# Altium PCB RTD_12POS_WPSv4.PcbDoc (part 1 of 2)
Units mm, origin at the board's own origin, x right, y up, seen from the top; angles counter-clockwise.
Board outline 122.3 x 122.04 mm, 2 copper layers (Top Layer, Bottom Layer); 346 components, 305 nets, 1347 pads, 0 vias.
Unrouted connection lines stored in the file: 1010.
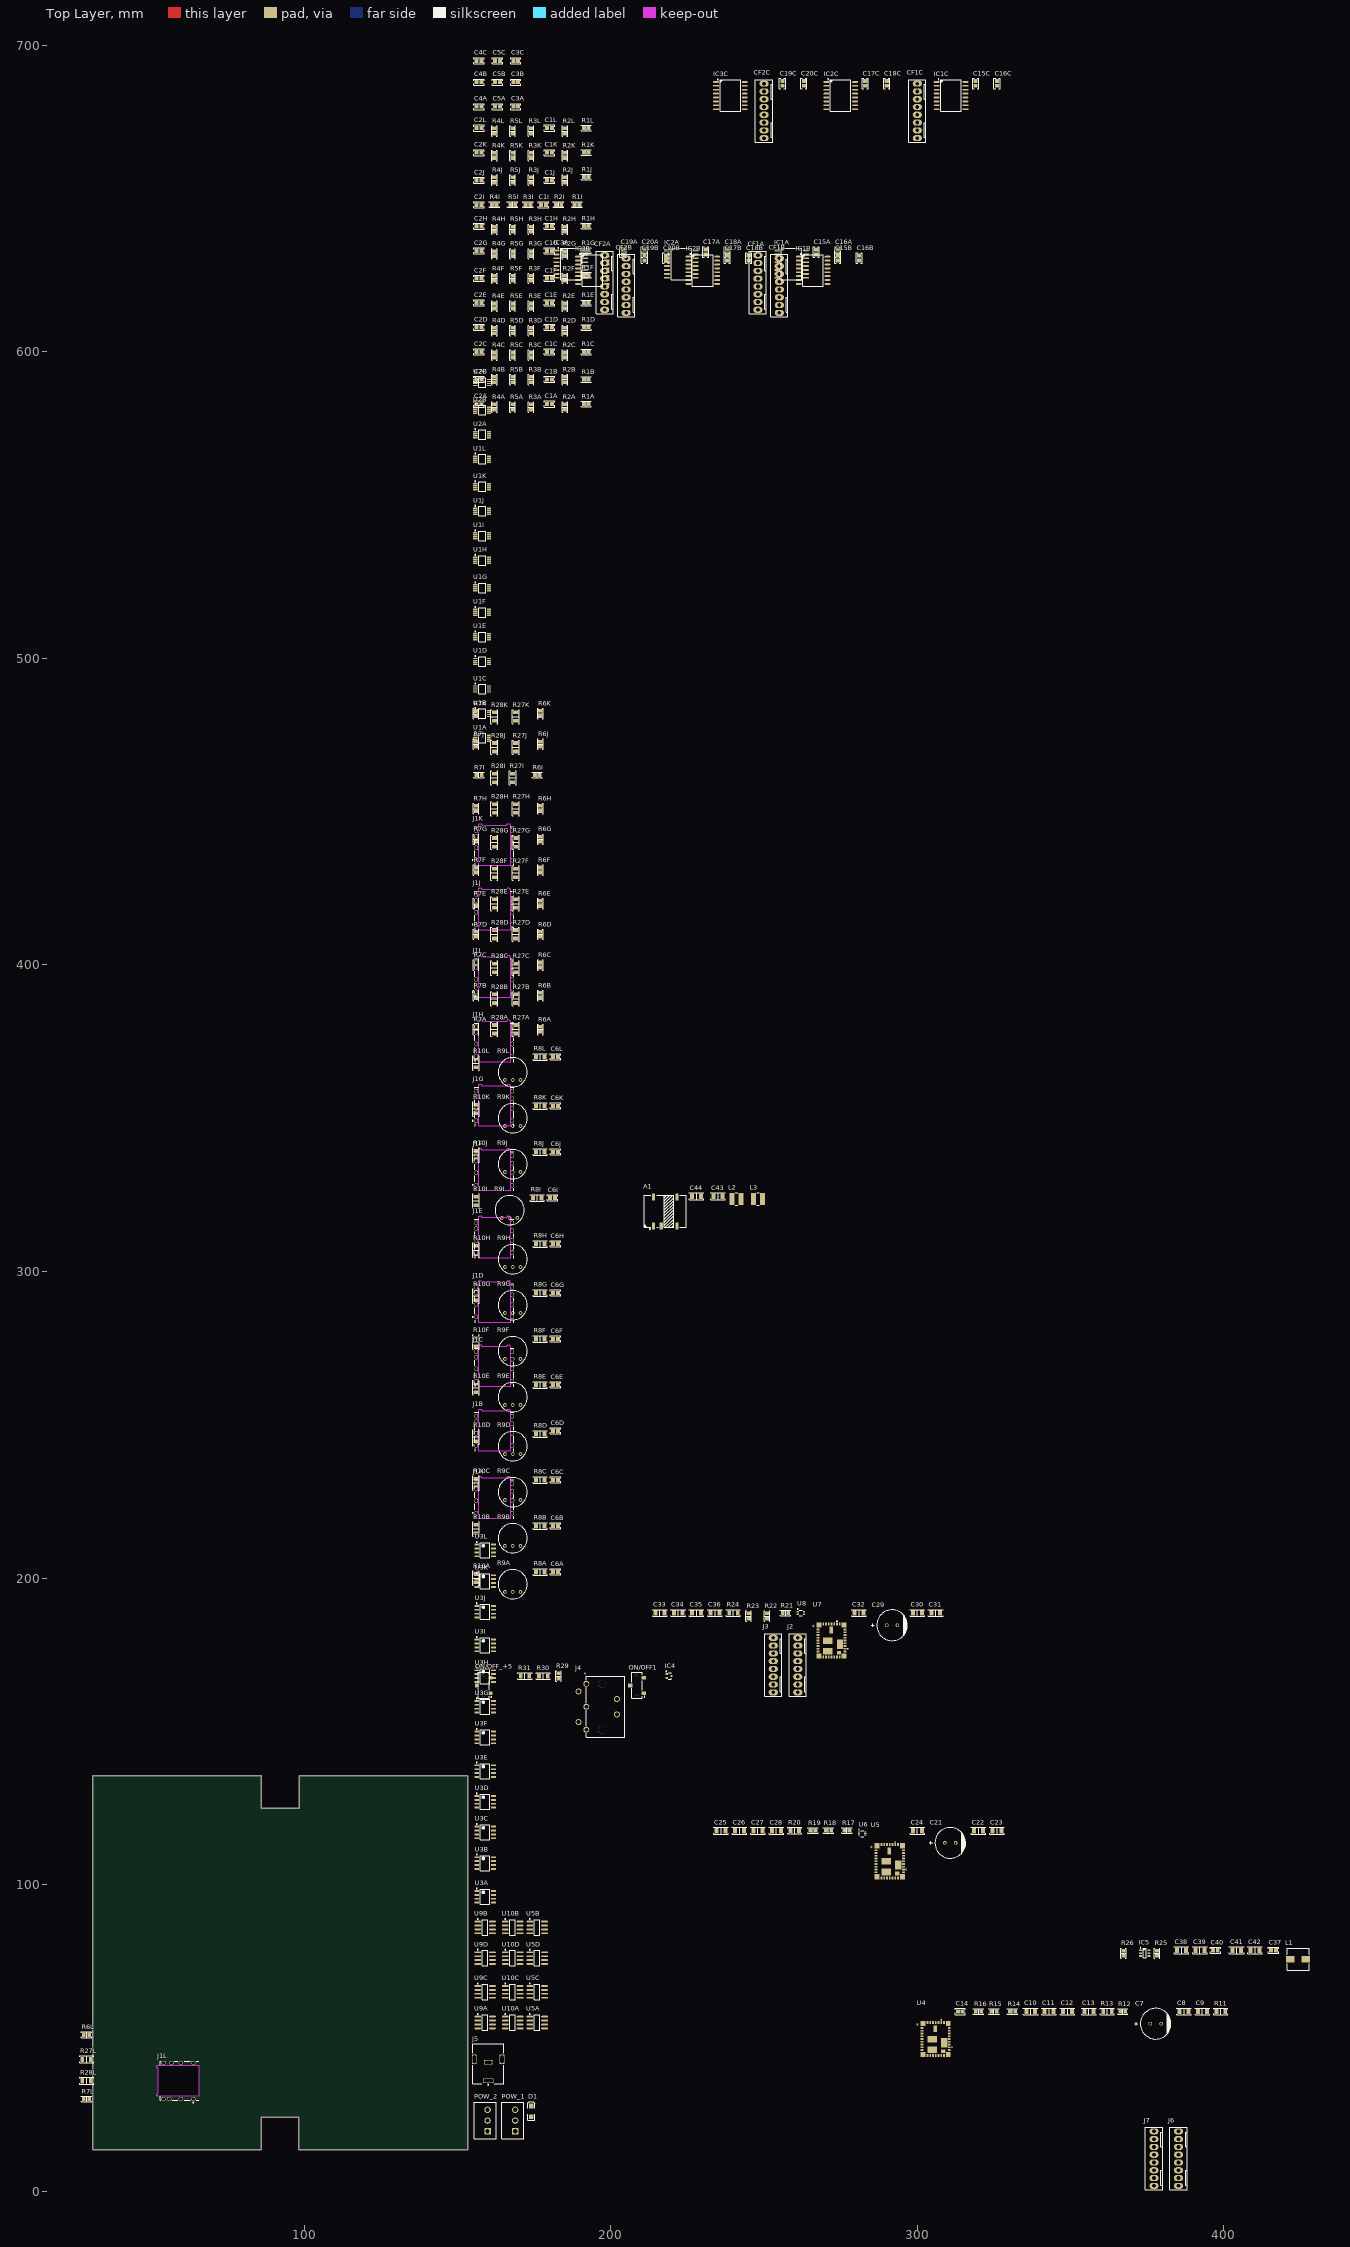
[diagram p0: Top Layer view]
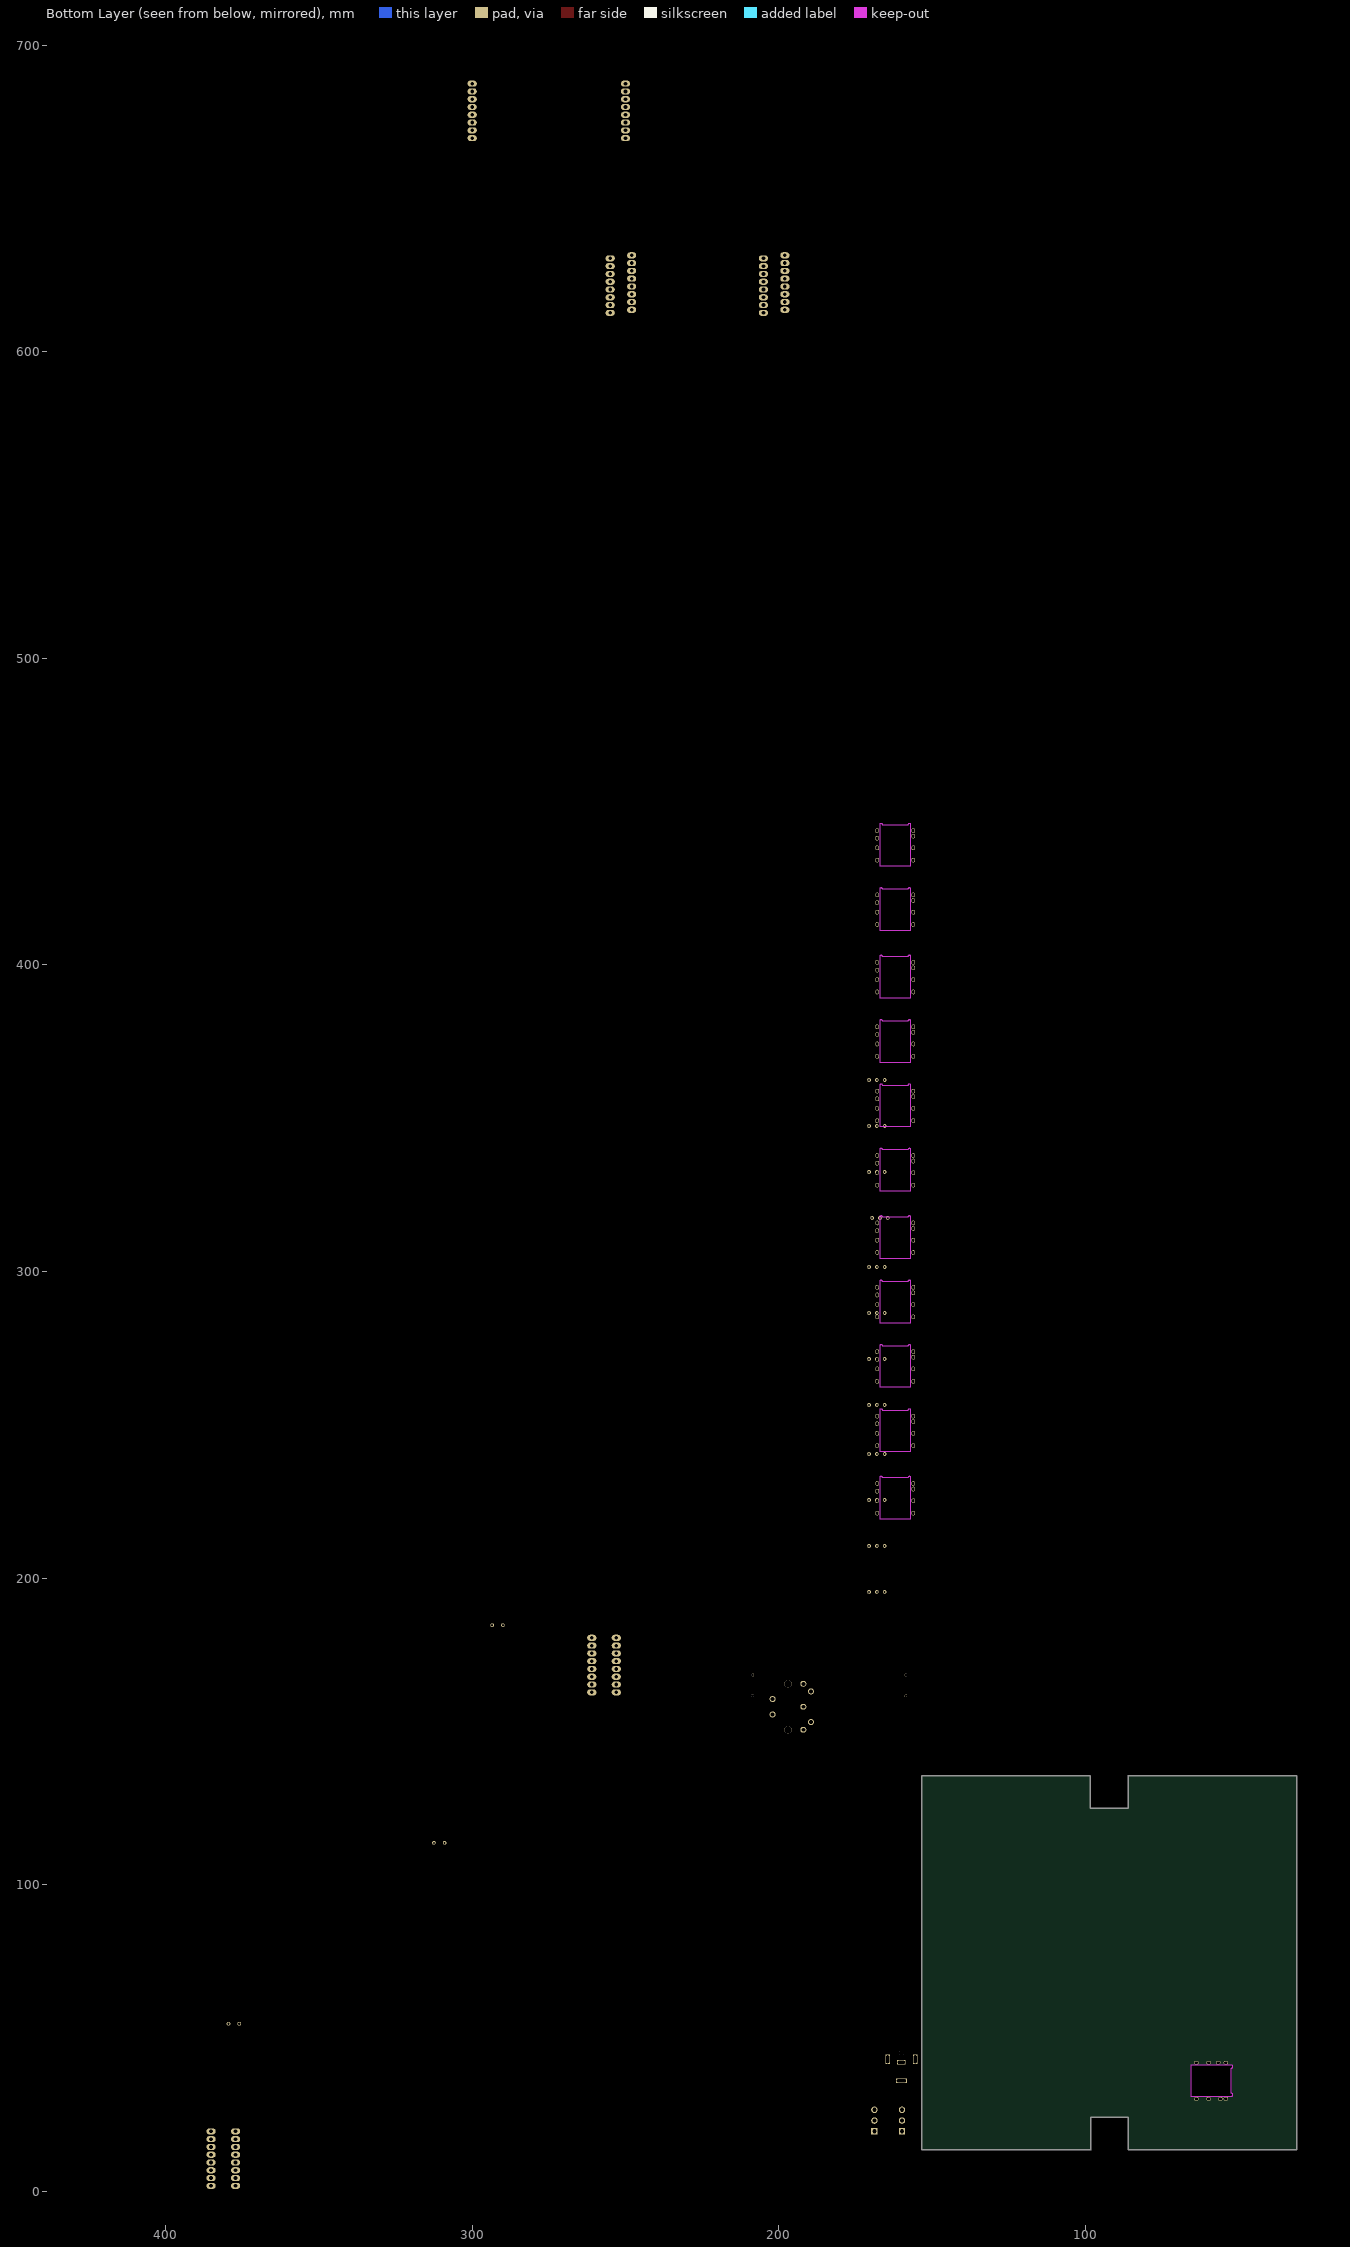
[diagram p1: Bottom Layer view, seen from below]

## Layer stack, top to bottom
Top Solder: solder mask 0.0102, Solder Resist, Dk 3.5
Top Layer: signal copper 0.0356
Dielectric 1: dielectric 0.32, FR-4, Dk 4.8
Bottom Layer: signal copper 0.0356
Bottom Solder: solder mask 0.0102, Solder Resist, Dk 3.5

## Board outline
31,13.46 31,135.5 86,135.5 86.05,135.45 86.05,124.95 98.35,124.95 98.35,135.5 153.3,135.5 153.3,13.46 98.3,13.46 98.25,13.51 98.25,24.01 85.95,24.01 85.95,13.46

## Design rules (kind name [scope] priority, off if disabled: settings)
Clearance [All] p1: gap=0.254 ignorepadtopadclearanceinfootprint=FALSE except(0: Arc-Hole Track-Hole SMDPad-Hole THPad-Hole Via-Hole Fill-Hole Poly-Hole Region-Hole Text-Hole)
PolygonConnect [All] p1: connectstyle=Relief reliefconductorwidth=0.254 reliefentries=4 polygonreliefangle="90 Angle" airgapwidth=0.254
RoomDefinition U_VrefSchC [InComponentClass('U_VrefSchC')] p1: confinementstyle=ConfineIn formatcopy=TRUE lockcomponents=FALSE outline 154,588 162,588 162,595 154,595
RoomDefinition U_VrefSchB [InComponentClass('U_VrefSchB')] p2: confinementstyle=ConfineIn formatcopy=TRUE lockcomponents=FALSE outline 154,579 162,579 162,586 154,586
RoomDefinition U_VrefSchA [InComponentClass('U_VrefSchA')] p3: confinementstyle=ConfineIn formatcopy=TRUE lockcomponents=FALSE outline 154,571 162,571 162,578 154,578
RoomDefinition U_VccConnSch [InComponentClass('U_VccConnSch')] p4: confinementstyle=ConfineIn formatcopy=TRUE lockcomponents=FALSE outline 154,34 166,34 166,51 154,51
RoomDefinition U_RTDAnalogL [InComponentClass('U_RTDAnalogL')] p5: confinementstyle=ConfineIn formatcopy=TRUE lockcomponents=FALSE outline 154,563 162,563 162,570 154,570
RoomDefinition U_RTDAnalogK [InComponentClass('U_RTDAnalogK')] p6: confinementstyle=ConfineIn formatcopy=TRUE lockcomponents=FALSE outline 154,554 162,554 162,561 154,561
RoomDefinition U_RTDAnalogJ [InComponentClass('U_RTDAnalogJ')] p7: confinementstyle=ConfineIn formatcopy=TRUE lockcomponents=FALSE outline 154,546 162,546 162,553 154,553
RoomDefinition U_RTDAnalogI [InComponentClass('U_RTDAnalogI')] p8: confinementstyle=ConfineIn formatcopy=TRUE lockcomponents=FALSE outline 154,538 162,538 162,545 154,545
RoomDefinition U_RTDAnalogH [InComponentClass('U_RTDAnalogH')] p9: confinementstyle=ConfineIn formatcopy=TRUE lockcomponents=FALSE outline 154,530 162,530 162,537 154,537
RoomDefinition U_RTDAnalogF [InComponentClass('U_RTDAnalogF')] p10: confinementstyle=ConfineIn formatcopy=TRUE lockcomponents=FALSE outline 154,513 162,513 162,520 154,520
RoomDefinition U_RTDAnalogE [InComponentClass('U_RTDAnalogE')] p11: confinementstyle=ConfineIn formatcopy=TRUE lockcomponents=FALSE outline 154,505 162,505 162,512 154,512
RoomDefinition U_RTDAnalogD [InComponentClass('U_RTDAnalogD')] p12: confinementstyle=ConfineIn formatcopy=TRUE lockcomponents=FALSE outline 154,497 162,497 162,504 154,504
RoomDefinition U_RTDAnalogC [InComponentClass('U_RTDAnalogC')] p13: confinementstyle=ConfineIn formatcopy=TRUE lockcomponents=FALSE outline 154,488 162,488 162,495 154,495
RoomDefinition U_RTDAnalogB [InComponentClass('U_RTDAnalogB')] p14: confinementstyle=ConfineIn formatcopy=TRUE lockcomponents=FALSE outline 154,480 162,480 162,487 154,487
RoomDefinition U_RTDAnalogA [InComponentClass('U_RTDAnalogA')] p15: confinementstyle=ConfineIn formatcopy=TRUE lockcomponents=FALSE outline 154,472 162,472 162,479 154,479
RoomDefinition U_RTDAnalogA [InComponentClass('U_RTDAnalogA')] p16: confinementstyle=ConfineIn formatcopy=TRUE lockcomponents=FALSE outline 154,472 162,472 162,479 154,479
RoomDefinition U_PowerIsolation [InComponentClass('U_PowerIsolation')] p17: confinementstyle=ConfineIn formatcopy=TRUE lockcomponents=FALSE outline 55,138.6 105.8,138.6 105.8,164 55,164
RoomDefinition U_PowerDelivery [InComponentClass('U_PowerDelivery')] p18: confinementstyle=ConfineIn formatcopy=TRUE lockcomponents=FALSE outline 155,16 176,16 176,33 155,33
RoomDefinition U_Neg12V [InComponentClass('U_Neg12V')] p19: confinementstyle=ConfineIn formatcopy=TRUE lockcomponents=FALSE outline 58,46.6 108.8,46.6 108.8,72 58,72
RoomDefinition U_Neg5V [InComponentClass('U_Neg5V')] p20: confinementstyle=ConfineIn formatcopy=TRUE lockcomponents=FALSE outline 78,0 128.8,0 128.8,25.4 78,25.4
RoomDefinition U_MonitorOut [InComponentClass('U_MonitorOut')] p21: confinementstyle=ConfineIn formatcopy=TRUE lockcomponents=FALSE outline 94,82.6 144.8,82.6 144.8,108 94,108
RoomDefinition U_IsolationOut [InComponentClass('U_IsolationOut')] p22: confinementstyle=ConfineIn formatcopy=TRUE lockcomponents=FALSE outline 78,113.6 128.8,113.6 128.8,139 78,139
RoomDefinition U_ConnGd- [InComponentClass('U_ConnGd-')] p23: confinementstyle=ConfineIn formatcopy=TRUE lockcomponents=FALSE outline 33,83.6 83.8,83.6 83.8,109 33,109
RoomDefinition U_ConnGd+ [InComponentClass('U_ConnGd+')] p24: confinementstyle=ConfineIn formatcopy=TRUE lockcomponents=FALSE outline 26,112.6 76.8,112.6 76.8,138 26,138
RoomDefinition U_ConnectorSchL [InComponentClass('U_ConnectorSchL')] p25: confinementstyle=ConfineIn formatcopy=TRUE lockcomponents=FALSE outline 71,28 71,43 51,43 51,28
RoomDefinition U_ConnectorSchK [InComponentClass('U_ConnectorSchK')] p26: confinementstyle=ConfineIn formatcopy=TRUE lockcomponents=FALSE outline 154,429 169,429 169,449 154,449
RoomDefinition U_ConnectorSchJ [InComponentClass('U_ConnectorSchJ')] p27: confinementstyle=ConfineIn formatcopy=TRUE lockcomponents=FALSE outline 154,408 169,408 169,428 154,428
RoomDefinition U_ConnectorSchI [InComponentClass('U_ConnectorSchI')] p28: confinementstyle=ConfineIn formatcopy=TRUE lockcomponents=FALSE outline 154,386 169,386 169,406 154,406
RoomDefinition U_ConnectorSchH [InComponentClass('U_ConnectorSchH')] p29: confinementstyle=ConfineIn formatcopy=TRUE lockcomponents=FALSE outline 154,365 169,365 169,385 154,385
RoomDefinition U_ConnectorSchF [InComponentClass('U_ConnectorSchF')] p30: confinementstyle=ConfineIn formatcopy=TRUE lockcomponents=FALSE outline 154,323 169,323 169,343 154,343
RoomDefinition U_ConnectorSchE [InComponentClass('U_ConnectorSchE')] p31: confinementstyle=ConfineIn formatcopy=TRUE lockcomponents=FALSE outline 154,301 169,301 169,321 154,321
RoomDefinition U_ConnectorSchD [InComponentClass('U_ConnectorSchD')] p32: confinementstyle=ConfineIn formatcopy=TRUE lockcomponents=FALSE outline 154,280 169,280 169,300 154,300
RoomDefinition U_ConnectorSchC [InComponentClass('U_ConnectorSchC')] p33: confinementstyle=ConfineIn formatcopy=TRUE lockcomponents=FALSE outline 154,259 169,259 169,279 154,279
RoomDefinition U_ConnectorSchB [InComponentClass('U_ConnectorSchB')] p34: confinementstyle=ConfineIn formatcopy=TRUE lockcomponents=FALSE outline 154,238 169,238 169,258 154,258
RoomDefinition U_ConnectorSchA [InComponentClass('U_ConnectorSchA')] p35: confinementstyle=ConfineIn formatcopy=TRUE lockcomponents=FALSE outline 154,216 169,216 169,236 154,236
RoomDefinition U_ConnectorSchA [InComponentClass('U_ConnectorSchA')] p36: confinementstyle=ConfineIn formatcopy=TRUE lockcomponents=FALSE outline 154,216 169,216 169,236 154,236
RoomDefinition U_ComparisonSchL [InComponentClass('U_ComparisonSchL')] p37: confinementstyle=ConfineIn formatcopy=TRUE lockcomponents=FALSE outline 155,206 163,206 163,215 155,215
RoomDefinition U_ComparisonSchK [InComponentClass('U_ComparisonSchK')] p38: confinementstyle=ConfineIn formatcopy=TRUE lockcomponents=FALSE outline 155,196 163,196 163,205 155,205
RoomDefinition U_ComparisonSchJ [InComponentClass('U_ComparisonSchJ')] p39: confinementstyle=ConfineIn formatcopy=TRUE lockcomponents=FALSE outline 155,186 163,186 163,195 155,195
RoomDefinition U_ComparisonSchI [InComponentClass('U_ComparisonSchI')] p40: confinementstyle=ConfineIn formatcopy=TRUE lockcomponents=FALSE outline 155,175 163,175 163,184 155,184
RoomDefinition U_ComparisonSchH [InComponentClass('U_ComparisonSchH')] p41: confinementstyle=ConfineIn formatcopy=TRUE lockcomponents=FALSE outline 155,165 163,165 163,174 155,174
RoomDefinition U_ComparisonSchF [InComponentClass('U_ComparisonSchF')] p42: confinementstyle=ConfineIn formatcopy=TRUE lockcomponents=FALSE outline 155,145 163,145 163,154 155,154
RoomDefinition U_ComparisonSchE [InComponentClass('U_ComparisonSchE')] p43: confinementstyle=ConfineIn formatcopy=TRUE lockcomponents=FALSE outline 155,134 163,134 163,143 155,143
RoomDefinition U_ComparisonSchD [InComponentClass('U_ComparisonSchD')] p44: confinementstyle=ConfineIn formatcopy=TRUE lockcomponents=FALSE outline 155,124 163,124 163,133 155,133
RoomDefinition U_ComparisonSchC [InComponentClass('U_ComparisonSchC')] p45: confinementstyle=ConfineIn formatcopy=TRUE lockcomponents=FALSE outline 155,114 163,114 163,123 155,123
RoomDefinition U_ComparisonSchB [InComponentClass('U_ComparisonSchB')] p46: confinementstyle=ConfineIn formatcopy=TRUE lockcomponents=FALSE outline 155,104 163,104 163,113 155,113
RoomDefinition U_ComparisonSchA [InComponentClass('U_ComparisonSchA')] p47: confinementstyle=ConfineIn formatcopy=TRUE lockcomponents=FALSE outline 155,155 163,155 163,164 155,164
RoomDefinition U_ComparisonSchA [InComponentClass('U_ComparisonSchA')] p48: confinementstyle=ConfineIn formatcopy=TRUE lockcomponents=FALSE outline 155,155 163,155 163,164 155,164
RoomDefinition U_BufferOutR [InComponentClass('U_BufferOutR')] p49: confinementstyle=ConfineIn formatcopy=TRUE lockcomponents=FALSE outline 155,83 180,83 180,92 155,92
RoomDefinition U_BufferOutMonR [InComponentClass('U_BufferOutMonR')] p50: confinementstyle=ConfineIn formatcopy=TRUE lockcomponents=FALSE outline 155,73 180,73 180,82 155,82
RoomDefinition U_BufferOutMonL [InComponentClass('U_BufferOutMonL')] p51: confinementstyle=ConfineIn formatcopy=TRUE lockcomponents=FALSE outline 155,62 180,62 180,71 155,71
RoomDefinition U_BufferOutL [InComponentClass('U_BufferOutL')] p52: confinementstyle=ConfineIn formatcopy=TRUE lockcomponents=FALSE outline 155,52 180,52 180,61 155,61
RoomDefinition U_12VSupply [InComponentClass('U_12VSupply')] p53: confinementstyle=ConfineIn formatcopy=TRUE lockcomponents=FALSE outline 144,0 194.8,0 194.8,25.4 144,25.4
RoomDefinition U_5VSupply [InComponentClass('U_5VSupply')] p54: confinementstyle=ConfineIn formatcopy=TRUE lockcomponents=FALSE outline 211.2,27.6 262,27.6 262,53 211.2,53
RoomDefinition MainSch [InComponentClass('MainSch')] p55: confinementstyle=ConfineIn formatcopy=TRUE lockcomponents=FALSE outline 218.2,0 269,0 269,25.4 218.2,25.4
RoutingVias [All] p1: holewidth=0.711 width=1.27 viastyle="Through Hole" minholewidth=0.711 minwidth=1.27 maxholewidth=0.711 maxwidth=1.27
SolderMaskExpansion [All] p1: expansion=0.102
Width [All] p1: maxlimit=0.254 minlimit=0.254 preferedwidth=0.254
30 further rules are at their usual default settings.

## Classes and differential pairs
channel class VrefSch: U_VrefSchA U_VrefSchB U_VrefSchC
channel class RTDAnalog: U_RTDAnalogA U_RTDAnalogB U_RTDAnalogC U_RTDAnalogD U_RTDAnalogE U_RTDAnalogF U_RTDAnalogH U_RTDAnalogI U_RTDAnalogJ U_RTDAnalogK U_RTDAnalogL
channel class IsolationOut: U_ConnGd+ U_ConnGd- U_IsolationOut
channel class ConnectorSch: U_ConnectorSchA U_ConnectorSchB U_ConnectorSchC U_ConnectorSchD U_ConnectorSchE U_ConnectorSchF U_ConnectorSchH U_ConnectorSchI U_ConnectorSchJ U_ConnectorSchK U_ConnectorSchL
channel class ComparisonSch: U_ComparisonSchA U_ComparisonSchB U_ComparisonSchC U_ComparisonSchD U_ComparisonSchE U_ComparisonSchF U_ComparisonSchH U_ComparisonSchI U_ComparisonSchJ U_ComparisonSchK U_ComparisonSchL
channel class BufferOut: U_BufferOutL U_BufferOutMonL U_BufferOutMonR U_BufferOutR
net class Vthr[1..12]: Vthr1 Vthr2 Vthr3 Vthr4 Vthr5 Vthr6 Vthr7 Vthr8 Vthr9 Vthr10 Vthr11 Vthr12
net class Vrtd[1..12]: Vrtd1 Vrtd2 Vrtd3 Vrtd4 Vrtd5 Vrtd6 Vrtd7 Vrtd8 Vrtd9 Vrtd10 Vrtd11 Vrtd12
net class Vref[1..3]: Vref1 Vref2 Vref3
net class RTD-[1..12]: RTD-1 RTD-2 RTD-3 RTD-4 RTD-5 RTD-6 RTD-7 RTD-8 RTD-9 RTD-10 RTD-11 RTD-12
net class RTD+[1..12]: RTD+1 RTD+2 RTD+3 RTD+4 RTD+5 RTD+6 RTD+7 RTD+8 RTD+9 RTD+10 RTD+11 RTD+12
net class CONNGD-[1..12]: CONNGD-1 CONNGD-2 CONNGD-3 CONNGD-4 CONNGD-5 CONNGD-6 CONNGD-7 CONNGD-8 CONNGD-9 CONNGD-10 CONNGD-11 CONNGD-12
net class CONNGD+[1..12]: CONNGD+1 CONNGD+2 CONNGD+3 CONNGD+4 CONNGD+5 CONNGD+6 CONNGD+7 CONNGD+8 CONNGD+9 CONNGD+10 CONNGD+11 CONNGD+12
net class CF[1..12]: CF1 CF2 CF3 CF4 CF5 CF6 CF7 CF8 CF9 CF10 CF11 CF12
component class U_VrefSchC: C3C C4C C5C U2C
component class U_VrefSchB: C3B C4B C5B U2B
component class U_VrefSchA: C3A C4A C5A U2A
component class U_VccConnSch: J5
component class U_RTDAnalogL: C1L C2L R1L R2L R3L R4L R5L U1L
component class U_RTDAnalogK: C1K C2K R1K R2K R3K R4K R5K U1K
component class U_RTDAnalogJ: C1J C2J R1J R2J R3J R4J R5J U1J
component class U_RTDAnalogI: C1I C2I R1I R2I R3I R4I R5I U1I
component class U_RTDAnalogH: C1H C2H R1H R2H R3H R4H R5H U1H
component class U_RTDAnalogF: C1F C2F R1F R2F R3F R4F R5F U1F
component class U_RTDAnalogE: C1E C2E R1E R2E R3E R4E R5E U1E
component class U_RTDAnalogD: C1D C2D R1D R2D R3D R4D R5D U1D
component class U_RTDAnalogC: C1C C2C R1C R2C R3C R4C R5C U1C
component class U_RTDAnalogB: C1B C2B R1B R2B R3B R4B R5B U1B
component class U_RTDAnalogA: C1A C1G C2A C2G R1A R1G R2A R2G R3A R3G R4A R4G R5A R5G U1G
component class U_PowerIsolation: A1 C43 C44 L2 L3
component class U_PowerDelivery: D1 IC4 J4 ON/OFF1 ON/OFF_+5 POW_1 POW_2 R29 R30 R31
component class U_Neg12V: C29 C30 C31 C32 C33 C34 C35 C36 R21 R22 R23 R24 U7 U8
component class U_Neg5V: C21 C22 C23 C24 C25 C26 C27 C28 R17 R18 R19 R20 U5 U6
component class U_MonitorOut: J2 J3
component class U_IsolationOut: C15C C16C C17C C18C C19C C20C CF1C CF2C IC1C IC2C IC3C
component class U_ConnGd-: C15B C16B C17B C18B C19B C20B CF1B CF2B IC1B IC2B IC3B
component class U_ConnGd+: C15A C16A C17A C18A C19A C20A CF1A CF2A IC1A IC2A IC3A
component class U_ConnectorSchL: J1L R6L R7L R27L R28L
component class U_ConnectorSchK: J1K R6K R7K R27K R28K
component class U_ConnectorSchJ: J1J R6J R7J R27J R28J
component class U_ConnectorSchI: J1I R6I R7I R27I R28I
component class U_ConnectorSchH: J1H R6H R7H R27H R28H
component class U_ConnectorSchF: J1F R6F R7F R27F R28F
component class U_ConnectorSchE: J1E R6E R7E R27E R28E
component class U_ConnectorSchD: J1D R6D R7D R27D R28D
component class U_ConnectorSchC: J1C R6C R7C R27C R28C
component class U_ConnectorSchB: J1B R6B R7B R27B R28B
component class U_ConnectorSchA: J1G R6A R6G R7A R7G R27A R27G R28A R28G
component class U_ComparisonSchL: C6L R8L R9L R10L U3L
component class U_ComparisonSchK: C6K R8K R9K R10K U3K
component class U_ComparisonSchJ: C6J R8J R9J R10J U3J
component class U_ComparisonSchI: C6I R8I R9I R10I U3I
component class U_ComparisonSchH: C6H R8H R9H R10H U3H
component class U_ComparisonSchF: C6F R8F R9F R10F U3F
component class U_ComparisonSchE: C6E R8E R9E R10E U3E
component class U_ComparisonSchD: C6D R8D R9D R10D U3D
component class U_ComparisonSchC: C6C R8C R9C R10C U3C
component class U_ComparisonSchB: C6B R8B R9B R10B U3B
component class U_ComparisonSchA: C6A C6G R8A R8G R9A R9G R10A R10G U3A
component class U_BufferOutR: U5B U9B U10B
component class U_BufferOutMonR: U5D U9D U10D
component class U_BufferOutMonL: U5C U9C U10C
component class U_BufferOutL: U5A U9A U10A
component class U_12VSupply: C7 C8 C9 C10 C11 C12 C13 C14 R11 R12 R13 R14 R15 R16 U4
component class U_5VSupply: C37 C38 C39 C40 C41 C42 IC5 L1 R25 R26
component class MainSch: J6 J7
